# KiCad board haptic display 8x8 aisler.kicad_pcb

Outline 145 x 145 mm; copper layers: Front, In1.Cu, In2.Cu, Back. Coordinates in mm from the lower left corner of the outline.
Outline path: circle c5,140 r1.6 ; circle c5,5 r1.6 ; circle c20,125.3 r1 ; circle c20,110.3 r1 ; circle c20,95.3 r1 ; circle c20,80.3 r1 ; circle c20,65.3 r1 ; circle c20,50.3 r1 ; circle c20,35.3 r1 ; circle c20,20.3 r1 ; circle c35,125.3 r1 ; circle c35,110.3 r1 ; circle c35,95.3 r1 ; circle c35,80.3 r1 ; circle c35,65.3 r1 ; circle c35,50.3 r1 ; circle c35,35.3 r1 ; circle c35,20.3 r1 ; circle c50,125.3 r1 ; circle c50,110.3 r1 ; circle c50,95.3 r1 ; circle c50,80.3 r1 ; circle c50,65.3 r1 ; circle c50,50.3 r1 ; circle c50,35.3 r1 ; circle c50,20.3 r1 ; circle c65,125.3 r1 ; circle c65,110.3 r1 ; circle c65,95.3 r1 ; circle c65,80.3 r1 ; circle c65,65.3 r1 ; circle c65,50.3 r1 ; circle c65,35.3 r1 ; circle c65,20.3 r1 ; circle c80,125.3 r1 ; circle c80,110.3 r1 ; circle c80,95.3 r1 ; circle c80,80.3 r1 ; circle c80,65.3 r1 ; circle c80,50.3 r1 ; circle c80,35.3 r1 ; circle c80,20.3 r1 ; circle c95,125.3 r1 ; circle c95,110.3 r1 ; circle c95,95.3 r1 ; circle c95,80.3 r1 ; circle c95,65.3 r1 ; circle c95,50.3 r1 ; circle c95,35.3 r1 ; circle c95,20.3 r1 ; circle c110,125.3 r1 ; circle c110,110.3 r1 ; circle c110,95.3 r1 ; circle c110,80.3 r1 ; circle c110,65.3 r1 ; circle c110,50.3 r1 ; circle c110,35.3 r1 ; circle c110,20.3 r1 ; circle c125,125.3 r1 ; circle c125,110.3 r1 ; circle c125,95.3 r1 ; circle c125,80.3 r1 ; circle c125,65.3 r1 ; circle c125,50.3 r1 ; circle c125,35.3 r1 ; circle c125,20.3 r1 ; circle c140,140 r1.6 ; circle c140,5 r1.6 ; 0,145 145,145 145,0 0,0 0,145 ; 3.2,83.2 6.8,83.2 6.8,61.8 3.2,61.8 3.2,83.2 ; 61.8,6.8 83.2,6.8 83.2,3.2 61.8,3.2 61.8,6.8

## Placement (name value [footprint] x y rotation side)
J1  Conn_01x08  [PinHeader_1x08_P2.54mm_Vertical]  63.61 140 270 bottom
J2  Conn_01x08  [PinHeader_1x08_P2.54mm_Vertical]  140 81.39 180 bottom
REF**  -  [D_SMA]  27.5 128.75 90 bottom
REF**#2  -  [D_SMA]  27.5 121.25 90 bottom
REF**#3  -  [D_SMA]  27.5 106.25 90 bottom
REF**#4  -  [D_SMA]  27.5 91.25 90 bottom
REF**#5  -  [D_SMA]  27.5 76.25 90 bottom
REF**#6  -  [D_SMA]  27.5 61.25 90 bottom
REF**#7  -  [D_SMA]  27.5 46.25 90 bottom
REF**#8  -  [D_SMA]  27.5 31.25 90 bottom
REF**#9  -  [D_SMA]  27.5 16.25 90 bottom
REF**#10  -  [D_SMA]  27.5 113.75 90 bottom
REF**#11  -  [D_SMA]  27.5 98.75 90 bottom
REF**#12  -  [D_SMA]  27.5 83.75 90 bottom
REF**#13  -  [D_SMA]  27.5 68.75 90 bottom
REF**#14  -  [D_SMA]  27.5 53.75 90 bottom
REF**#15  -  [D_SMA]  27.5 38.75 90 bottom
REF**#16  -  [D_SMA]  27.5 23.75 90 bottom
REF**#17  -  [D_SMA]  57.5 106.25 90 bottom
REF**#18  -  [D_SMA]  57.5 91.25 90 bottom
REF**#19  -  [D_SMA]  57.5 76.25 90 bottom
REF**#20  -  [D_SMA]  57.5 61.25 90 bottom
REF**#21  -  [D_SMA]  57.5 46.25 90 bottom
REF**#22  -  [D_SMA]  57.5 31.25 90 bottom
REF**#23  -  [D_SMA]  57.5 16.25 90 bottom
REF**#24  -  [D_SMA]  87.5 106.25 90 bottom
REF**#25  -  [D_SMA]  87.5 91.25 90 bottom
REF**#26  -  [D_SMA]  87.5 76.25 90 bottom
REF**#27  -  [D_SMA]  87.5 61.25 90 bottom
REF**#28  -  [D_SMA]  87.5 46.25 90 bottom
REF**#29  -  [D_SMA]  87.5 31.25 90 bottom
REF**#30  -  [D_SMA]  87.5 16.25 90 bottom
REF**#31  -  [D_SMA]  102.5 113.75 90 bottom
REF**#32  -  [D_SMA]  102.5 98.75 90 bottom
REF**#33  -  [D_SMA]  102.5 83.75 90 bottom
REF**#34  -  [D_SMA]  102.5 68.75 90 bottom
REF**#35  -  [D_SMA]  102.5 53.75 90 bottom
REF**#36  -  [D_SMA]  102.5 38.75 90 bottom
REF**#37  -  [D_SMA]  102.5 23.75 90 bottom
REF**#38  -  [D_SMA]  132.5 106.25 90 bottom
REF**#39  -  [D_SMA]  132.5 91.25 90 bottom
REF**#40  -  [D_SMA]  132.5 76.25 90 bottom
REF**#41  -  [D_SMA]  132.5 61.25 90 bottom
REF**#42  -  [D_SMA]  132.5 46.25 90 bottom
REF**#43  -  [D_SMA]  132.5 31.25 90 bottom
REF**#44  -  [D_SMA]  132.5 16.25 90 bottom
REF**#45  -  [D_SMA]  42.5 106.25 90 bottom
REF**#46  -  [D_SMA]  42.5 91.25 90 bottom
REF**#47  -  [D_SMA]  42.5 76.25 90 bottom
REF**#48  -  [D_SMA]  42.5 61.25 90 bottom
REF**#49  -  [D_SMA]  42.5 46.25 90 bottom
REF**#50  -  [D_SMA]  42.5 31.25 90 bottom
REF**#51  -  [D_SMA]  42.5 16.25 90 bottom
REF**#52  -  [D_SMA]  87.5 113.75 90 bottom
REF**#53  -  [D_SMA]  87.5 98.75 90 bottom
REF**#54  -  [D_SMA]  87.5 83.75 90 bottom
REF**#55  -  [D_SMA]  87.5 68.75 90 bottom
REF**#56  -  [D_SMA]  87.5 53.75 90 bottom
REF**#57  -  [D_SMA]  87.5 38.75 90 bottom
REF**#58  -  [D_SMA]  87.5 23.75 90 bottom
REF**#59  -  [D_SMA]  72.5 113.75 90 bottom
REF**#60  -  [D_SMA]  72.5 98.75 90 bottom
REF**#61  -  [D_SMA]  72.5 83.75 90 bottom
REF**#62  -  [D_SMA]  72.5 68.75 90 bottom
REF**#63  -  [D_SMA]  72.5 53.75 90 bottom
REF**#64  -  [D_SMA]  72.5 38.75 90 bottom
REF**#65  -  [D_SMA]  72.5 23.75 90 bottom
REF**#66  -  [D_SMA]  72.5 106.25 90 bottom
REF**#67  -  [D_SMA]  72.5 91.25 90 bottom
REF**#68  -  [D_SMA]  72.5 76.25 90 bottom
REF**#69  -  [D_SMA]  72.5 61.25 90 bottom
REF**#70  -  [D_SMA]  72.5 46.25 90 bottom
REF**#71  -  [D_SMA]  72.5 31.25 90 bottom
REF**#72  -  [D_SMA]  72.5 16.25 90 bottom
REF**#73  -  [D_SMA]  117.5 106.25 90 bottom
REF**#74  -  [D_SMA]  117.5 91.25 90 bottom
REF**#75  -  [D_SMA]  117.5 76.25 90 bottom
REF**#76  -  [D_SMA]  117.5 61.25 90 bottom
REF**#77  -  [D_SMA]  117.5 46.25 90 bottom
REF**#78  -  [D_SMA]  117.5 31.25 90 bottom
REF**#79  -  [D_SMA]  117.5 16.25 90 bottom
REF**#80  -  [D_SMA]  117.5 113.75 90 bottom
REF**#81  -  [D_SMA]  117.5 98.75 90 bottom
REF**#82  -  [D_SMA]  117.5 83.75 90 bottom
REF**#83  -  [D_SMA]  117.5 68.75 90 bottom
REF**#84  -  [D_SMA]  117.5 53.75 90 bottom
REF**#85  -  [D_SMA]  117.5 38.75 90 bottom
REF**#86  -  [D_SMA]  117.5 23.75 90 bottom
REF**#87  -  [D_SMA]  132.5 113.75 90 bottom
REF**#88  -  [D_SMA]  132.5 98.75 90 bottom
REF**#89  -  [D_SMA]  132.5 83.75 90 bottom
REF**#90  -  [D_SMA]  132.5 68.75 90 bottom
REF**#91  -  [D_SMA]  132.5 53.75 90 bottom
REF**#92  -  [D_SMA]  132.5 38.75 90 bottom
REF**#93  -  [D_SMA]  132.5 23.75 90 bottom
REF**#94  -  [D_SMA]  57.5 113.75 90 bottom
REF**#95  -  [D_SMA]  57.5 98.75 90 bottom
REF**#96  -  [D_SMA]  57.5 83.75 90 bottom
REF**#97  -  [D_SMA]  57.5 68.75 90 bottom
REF**#98  -  [D_SMA]  57.5 53.75 90 bottom
REF**#99  -  [D_SMA]  57.5 38.75 90 bottom
REF**#100  -  [D_SMA]  57.5 23.75 90 bottom
REF**#101  -  [D_SMA]  42.5 113.75 90 bottom
REF**#102  -  [D_SMA]  42.5 98.75 90 bottom
REF**#103  -  [D_SMA]  42.5 83.75 90 bottom
REF**#104  -  [D_SMA]  42.5 68.75 90 bottom
REF**#105  -  [D_SMA]  42.5 53.75 90 bottom
REF**#106  -  [D_SMA]  42.5 38.75 90 bottom
REF**#107  -  [D_SMA]  42.5 23.75 90 bottom
REF**#108  -  [D_SMA]  102.5 106.25 90 bottom
REF**#109  -  [D_SMA]  102.5 91.25 90 bottom
REF**#110  -  [D_SMA]  102.5 76.25 90 bottom
REF**#111  -  [D_SMA]  102.5 61.25 90 bottom
REF**#112  -  [D_SMA]  102.5 46.25 90 bottom
REF**#113  -  [D_SMA]  102.5 31.25 90 bottom
REF**#114  -  [D_SMA]  102.5 16.25 90 bottom
REF**#115  -  [D_SMA]  42.5 128.75 90 bottom
REF**#116  -  [D_SMA]  57.5 128.75 90 bottom
REF**#117  -  [D_SMA]  72.5 128.75 90 bottom
REF**#118  -  [D_SMA]  87.5 128.75 90 bottom
REF**#119  -  [D_SMA]  102.5 128.75 90 bottom
REF**#120  -  [D_SMA]  117.5 128.75 90 bottom
REF**#121  -  [D_SMA]  132.5 128.75 90 bottom
REF**#122  -  [D_SMA]  42.5 121.25 90 bottom
REF**#123  -  [D_SMA]  57.5 121.25 90 bottom
REF**#124  -  [D_SMA]  72.5 121.25 90 bottom
REF**#125  -  [D_SMA]  87.5 121.25 90 bottom
REF**#126  -  [D_SMA]  102.5 121.25 90 bottom
REF**#127  -  [D_SMA]  117.5 121.25 90 bottom
REF**#128  -  [D_SMA]  132.5 121.25 90 bottom

## Footprints (pads in the part's own frame, mm; a bottom-side part is the same pattern mirrored in y, then rotated)
D_SMA
  rect 2.5x1.8 smd: 1(-2,0) 2(2,0)
PinHeader_1x08_P2.54mm_Vertical
  rect 1.7x1.7 hole 1: 1(0,0)
  oval 1.7x1.7 hole 1: 2(0,-2.54) 3(0,-5.08) 4(0,-7.62) 5(0,-10.16) 6(0,-12.7) 7(0,-15.24) 8(0,-17.78)

## Nets
col1: J1.1 REF**.1 REF**#2.2 REF**#3.2 REF**#4.2 REF**#5.2 REF**#6.2 REF**#7.2 REF**#8.2 REF**#9.2 REF**#10.1 REF**#11.1 REF**#12.1 REF**#13.1 REF**#14.1 REF**#15.1 REF**#16.1
col2: J1.2 REF**#45.2 REF**#46.2 REF**#47.2 REF**#48.2 REF**#49.2 REF**#50.2 REF**#51.2 REF**#101.1 REF**#102.1 REF**#103.1 REF**#104.1 REF**#105.1 REF**#106.1 REF**#107.1 REF**#115.1 REF**#122.2
col3: J1.3 REF**#17.2 REF**#18.2 REF**#19.2 REF**#20.2 REF**#21.2 REF**#22.2 REF**#23.2 REF**#94.1 REF**#95.1 REF**#96.1 REF**#97.1 REF**#98.1 REF**#99.1 REF**#100.1 REF**#116.1 REF**#123.2
col4: J1.4 REF**#59.1 REF**#60.1 REF**#61.1 REF**#62.1 REF**#63.1 REF**#64.1 REF**#65.1 REF**#66.2 REF**#67.2 REF**#68.2 REF**#69.2 REF**#70.2 REF**#71.2 REF**#72.2 REF**#117.1 REF**#124.2
col5: J1.5 REF**#24.2 REF**#25.2 REF**#26.2 REF**#27.2 REF**#28.2 REF**#29.2 REF**#30.2 REF**#52.1 REF**#53.1 REF**#54.1 REF**#55.1 REF**#56.1 REF**#57.1 REF**#58.1 REF**#118.1 REF**#125.2
col6: J1.6 REF**#31.1 REF**#32.1 REF**#33.1 REF**#34.1 REF**#35.1 REF**#36.1 REF**#37.1 REF**#108.2 REF**#109.2 REF**#110.2 REF**#111.2 REF**#112.2 REF**#113.2 REF**#114.2 REF**#119.1 REF**#126.2
col7: J1.7 REF**#73.2 REF**#74.2 REF**#75.2 REF**#76.2 REF**#77.2 REF**#78.2 REF**#79.2 REF**#80.1 REF**#81.1 REF**#82.1 REF**#83.1 REF**#84.1 REF**#85.1 REF**#86.1 REF**#120.1 REF**#127.2
col8: J1.8 REF**#38.2 REF**#39.2 REF**#40.2 REF**#41.2 REF**#42.2 REF**#43.2 REF**#44.2 REF**#87.1 REF**#88.1 REF**#89.1 REF**#90.1 REF**#91.1 REF**#92.1 REF**#93.1 REF**#121.1 REF**#128.2
row1: J2.1 REF**.2 REF**#2.1 REF**#115.2 REF**#116.2 REF**#117.2 REF**#118.2 REF**#119.2 REF**#120.2 REF**#121.2 REF**#122.1 REF**#123.1 REF**#124.1 REF**#125.1 REF**#126.1 REF**#127.1 REF**#128.1
row2: J2.2 REF**#3.1 REF**#10.2 REF**#17.1 REF**#24.1 REF**#31.2 REF**#38.1 REF**#45.1 REF**#52.2 REF**#59.2 REF**#66.1 REF**#73.1 REF**#80.2 REF**#87.2 REF**#94.2 REF**#101.2 REF**#108.1
row3: J2.3 REF**#4.1 REF**#11.2 REF**#18.1 REF**#25.1 REF**#32.2 REF**#39.1 REF**#46.1 REF**#53.2 REF**#60.2 REF**#67.1 REF**#74.1 REF**#81.2 REF**#88.2 REF**#95.2 REF**#102.2 REF**#109.1
row4: J2.4 REF**#5.1 REF**#12.2 REF**#19.1 REF**#26.1 REF**#33.2 REF**#40.1 REF**#47.1 REF**#54.2 REF**#61.2 REF**#68.1 REF**#75.1 REF**#82.2 REF**#89.2 REF**#96.2 REF**#103.2 REF**#110.1
row5: J2.5 REF**#6.1 REF**#13.2 REF**#20.1 REF**#27.1 REF**#34.2 REF**#41.1 REF**#48.1 REF**#55.2 REF**#62.2 REF**#69.1 REF**#76.1 REF**#83.2 REF**#90.2 REF**#97.2 REF**#104.2 REF**#111.1
row6: J2.6 REF**#7.1 REF**#14.2 REF**#21.1 REF**#28.1 REF**#35.2 REF**#42.1 REF**#49.1 REF**#56.2 REF**#63.2 REF**#70.1 REF**#77.1 REF**#84.2 REF**#91.2 REF**#98.2 REF**#105.2 REF**#112.1
row7: J2.7 REF**#8.1 REF**#15.2 REF**#22.1 REF**#29.1 REF**#36.2 REF**#43.1 REF**#50.1 REF**#57.2 REF**#64.2 REF**#71.1 REF**#78.1 REF**#85.2 REF**#92.2 REF**#99.2 REF**#106.2 REF**#113.1
row8: J2.8 REF**#9.1 REF**#16.2 REF**#23.1 REF**#30.1 REF**#37.2 REF**#44.1 REF**#51.1 REF**#58.2 REF**#65.2 REF**#72.1 REF**#79.1 REF**#86.2 REF**#93.2 REF**#100.2 REF**#107.2 REF**#114.1

## Via types
v1: diameter 0.45, hole 0.2, Front to Back, 192 vias

## Routing (per net, layer and track width the routed paths; a pad name or vN(x,y) marks a point on that pad's centre or on a via; arc(x,y) is an arc through that point)
col1: length 7446
  Front w0.15: 19.59,108.98 19.63,108.97 20,108.6 20,108.55 19.79,108.56 19.59,108.6 19.39,108.67 19.2,108.76 19.03,108.88 18.88,109.03 18.75,109.19 18.64,109.38 18.56,109.58 18.51,109.79 18.49,110 18.5,110.22 18.54,110.43 18.61,110.64 18.71,110.83 18.84,111.01 18.99,111.17 19.16,111.31 19.35,111.42 19.56,111.5 19.78,111.55 20,111.58 20.22,111.56 20.45,111.52 20.66,111.45 20.86,111.34 21.05,111.21 21.22,111.05 21.36,110.87 21.47,110.67 21.56,110.46 21.62,110.23 21.64,110 21.63,109.77 21.58,109.54 21.51,109.31 21.4,109.1 21.26,108.91 21.09,108.74 20.91,108.59 20.7,108.47 20.48,108.38 20.24,108.32 20,108.3 19.78,108.31 19.56,108.35 19.34,108.41 19.14,108.51 18.95,108.63 18.78,108.78 18.62,108.94 18.49,109.13 18.39,109.33 18.31,109.55 18.26,109.77 18.24,110 18.25,110.23 18.29,110.46 18.36,110.68 18.46,110.89 18.58,111.09 18.73,111.27 18.9,111.43 19.1,111.56 19.31,111.67 19.53,111.75 19.76,111.8 20,111.83 20.24,111.81 20.48,111.77 20.7,111.7 20.92,111.6 21.13,111.47 21.31,111.31 21.48,111.13 21.62,110.93 21.73,110.72 21.81,110.49 21.87,110.25 21.89,110 21.88,109.75 21.83,109.51 21.76,109.27 21.65,109.05 21.52,108.84 21.36,108.64 21.17,108.47 20.96,108.33 20.74,108.21 20.5,108.13 20.25,108.07 20,108.05 19.76,108.06 19.53,108.1 19.3,108.16 19.08,108.26 18.88,108.38 18.69,108.52 18.52,108.68 18.36,108.87 18.24,109.07 18.13,109.29 18.06,109.52 18.01,109.76 17.99,110 18,110.24 18.04,110.48 18.1,110.72 18.2,110.94 18.32,111.16 18.47,111.35 18.64,111.53 18.83,111.69 19.04,111.82 19.27,111.93 19.51,112.01 19.75,112.06 20,112.08 20.25,112.06 20.5,112.02 20.74,111.95 20.97,111.85 21.19,111.73 21.4,111.57 21.58,111.4 21.74,111.2 21.88,110.98 21.99,110.75 22.07,110.51 22.12,110.26 22.14,110 22.13,109.74 22.08,109.49 22.01,109.24 21.91,109 21.78,108.77 21.62,108.56 21.44,108.37 21.24,108.21 21.01,108.07 20.78,107.96 20.52,107.87 20.26,107.82 20,107.8 19.75,107.81 19.51,107.85 19.27,107.91 19.04,108 18.82,108.12 18.61,108.26 18.42,108.42 18.25,108.61 18.1,108.81 17.98,109.03 17.88,109.26 17.8,109.5 17.76,109.75 17.74,110 17.75,110.25 17.79,110.51 17.85,110.75 17.95,110.99 18.07,111.22 18.21,111.43 18.38,111.62 18.57,111.8 18.77,111.95 19,112.08 19.24,112.18 19.48,112.26 19.74,112.31 20,112.33 20.26,112.31 20.52,112.28 20.77,112.21 21.02,112.11 21.25,111.99 21.47,111.84 21.67,111.67 21.85,111.47 22,111.26 22.13,111.03 22.24,110.78 22.32,110.53 22.37,110.27 22.39,110 22.38,109.73 22.34,109.47 22.27,109.21 22.17,108.96 22.04,108.72 21.89,108.49 21.71,108.29 21.51,108.11 21.29,107.94 21.06,107.81 20.8,107.7 20.54,107.62 20.27,107.57 20,107.55 19.74,107.56 19.49,107.6 19.24,107.66 19,107.75 18.76,107.86 18.55,108 18.34,108.16 18.15,108.34 17.99,108.54 17.84,108.75 17.72,108.98 17.62,109.23 17.55,109.48 17.51,109.74 17.49,110 17.5,110.26 17.53,110.52 17.6,110.78 17.69,111.03 17.81,111.27 17.95,111.49 18.11,111.7 18.3,111.89 18.5,112.06 18.72,112.21 18.96,112.34 19.21,112.44 19.47,112.51 19.73,112.56 20,112.58 20.27,112.57 20.54,112.53 20.8,112.46 21.05,112.37 21.3,112.25 21.53,112.1 21.74,111.94 21.94,111.75 22.11,111.54 22.27,111.31 22.39,111.07 22.5,110.81 22.57,110.55 22.62,110.28 22.64,110 22.63,109.72 22.59,109.45 22.52,109.18 22.42,108.92 22.3,108.67 22.15,108.44 21.98,108.22 21.79,108.02 21.57,107.84 21.34,107.68 21.09,107.55 20.83,107.44 20.56,107.37 20.28,107.32 20,107.3 19.73,107.31 19.47,107.34 19.21,107.41 18.96,107.49 18.72,107.6 18.49,107.74 18.27,107.89 18.07,108.07 17.89,108.26 17.72,108.48 17.58,108.71 17.46,108.95 17.37,109.2 17.3,109.46 17.25,109.73 17.24,110 17.25,110.27 17.28,110.54 17.35,110.81 17.43,111.06 17.55,111.31 17.68,111.55 17.84,111.77 18.02,111.98 18.23,112.16 18.44,112.33 18.68,112.47 18.92,112.6 19.18,112.69 19.45,112.76 19.72,112.81 20,112.83 20.28,112.82 20.55,112.78 20.82,112.71 21.09,112.62 21.34,112.51 21.58,112.37 21.81,112.2 22.02,112.02 22.21,111.81 22.38,111.59 22.53,111.35 22.65,111.1 22.75,110.83 22.82,110.56 22.87,110.28 22.89,110 22.88,109.72 22.84,109.44 22.77,109.16 22.68,108.89 22.56,108.63 22.42,108.38 22.25,108.15 22.06,107.94 21.85,107.74 21.63,107.57 21.38,107.42 21.12,107.29 20.85,107.19 20.57,107.11 20.29,107.07 20,107.05 19.73,107.06 19.46,107.09 19.19,107.15 18.93,107.24 18.68,107.34 18.44,107.47 18.21,107.63 17.99,107.8 17.8,107.99 17.62,108.2 17.46,108.43 17.32,108.67 17.2,108.92 17.11,109.18 17.05,109.45 17,109.72 16.99,110 17,110.28 17.03,110.55 17.09,110.83 17.18,111.09 17.29,111.35 17.42,111.6 17.58,111.83 17.75,112.05 17.95,112.25 18.16,112.43 18.39,112.6 18.64,112.74 18.89,112.85 19.16,112.95 19.44,113.02 19.72,113.06 20,113.08 20.28,113.07 20.57,113.03 20.84,112.97 21.12,112.88 21.38,112.77 21.63,112.63 21.87,112.47 22.09,112.29 22.3,112.09 22.48,111.88 22.65,111.64 22.79,111.39 22.91,111.13 23.01,110.86 23.08,110.58 23.12,110.29 23.14,110 23.13,109.71 23.09,109.42 23.03,109.14 22.94,108.86 22.83,108.59 22.69,108.34 22.52,108.09 22.34,107.87 22.14,107.66 21.91,107.47 21.67,107.3 21.42,107.15 21.15,107.03 20.87,106.93 20.59,106.86 20.29,106.82 20,106.8 19.72,106.81 19.44,106.84 19.17,106.9 18.9,106.98 18.64,107.08 18.39,107.21 18.15,107.36 17.93,107.53 17.72,107.72 17.52,107.92 17.35,108.14 17.19,108.38 17.06,108.63 16.95,108.89 16.86,109.16 16.79,109.43 16.75,109.72 16.74,110 16.75,110.28 16.78,110.57 16.84,110.85 16.92,111.12 17.03,111.39 17.16,111.64 17.31,111.89 17.48,112.11 17.67,112.33 17.88,112.53 18.11,112.7 18.35,112.86 18.6,113 18.87,113.11 19.14,113.2 19.42,113.27 19.71,113.31 20,113.33 20.29,113.32 20.58,113.28 20.86,113.22 21.14,113.14 21.41,113.03 21.67,112.9 21.92,112.74 22.16,112.57 22.37,112.37 22.57,112.16 22.75,111.93 22.92,111.68 23.05,111.42 23.17,111.15 23.26,110.87 23.33,110.59 23.37,110.29 23.39,110 23.38,109.7 23.34,109.41 23.28,109.12 23.2,108.84 23.09,108.56 22.95,108.3 22.79,108.04 22.62,107.8 22.42,107.58 22.2,107.38 21.96,107.19 21.71,107.03 21.45,106.89 21.18,106.77 20.89,106.68 20.6,106.61 20.3,106.57 20,106.55 19.71,106.56 19.43,106.59 19.15,106.65 18.88,106.72 18.61,106.83 18.35,106.95 18.1,107.09 17.86,107.26 17.64,107.44 17.44,107.64 17.25,107.86 17.08,108.09 16.93,108.34 16.8,108.6 16.69,108.86 16.6,109.14 16.54,109.42 16.5,109.71 16.49,110 16.5,110.29 16.53,110.58 16.59,110.86 16.67,111.14 16.77,111.42 16.89,111.68 17.04,111.93 17.21,112.17 17.39,112.4 17.6,112.61 17.82,112.8 18.06,112.97 18.31,113.13 18.57,113.26 18.84,113.37 19.12,113.46 19.41,113.52 19.71,113.56 20,113.58 20.3,113.57 20.59,113.53 20.88,113.48 21.17,113.39 21.44,113.29 21.71,113.16 21.97,113.01 22.21,112.84 22.44,112.65 22.65,112.44 22.85,112.22 23.03,111.98 23.18,111.72 23.32,111.45 23.43,111.18 23.52,110.89 23.58,110.6 23.62,110.3 23.64,110 23.63,109.7 23.59,109.4 23.54,109.1 23.45,108.81 23.35,108.53 23.22,108.26 23.06,108 22.89,107.75 22.7,107.52 22.49,107.3 22.26,107.1 22.01,106.92 21.75,106.76 21.48,106.63 21.2,106.51 20.91,106.42 20.61,106.36 20.31,106.32 20,106.3 19.71,106.31 19.42,106.34 19.13,106.39 18.85,106.47 18.58,106.57 18.31,106.69 18.06,106.83 17.81,106.99 17.58,107.17 17.36,107.36 17.16,107.57 16.98,107.8 16.81,108.05 16.66,108.3 16.54,108.57 16.43,108.84 16.35,109.12 16.29,109.41 16.25,109.71 16.24,110 16.25,110.3 16.28,110.59 16.33,110.88 16.41,111.17 16.51,111.45 16.63,111.72 16.77,111.98 16.94,112.23 17.12,112.46 17.32,112.68 17.53,112.89 17.77,113.07 18.01,113.24 18.27,113.39 18.54,113.52 18.82,113.63 19.11,113.71 19.4,113.77 19.7,113.81 20,113.83 20.3,113.82 20.6,113.78 20.9,113.73 21.19,113.65 21.47,113.55 21.75,113.42 22.01,113.28 22.26,113.11 22.5,112.93 22.73,112.73 22.93,112.51 23.12,112.27 23.3,112.02 23.45,111.76 23.58,111.48 23.69,111.2 23.77,110.91 23.83,110.61 23.87,110.3 23.89,110 23.88,109.69 23.85,109.39 23.79,109.09 23.71,108.79 23.61,108.51 23.48,108.23 23.33,107.96 23.17,107.7 22.98,107.46 22.77,107.23 22.55,107.02 22.31,106.82 22.05,106.65 21.78,106.5 21.51,106.37 21.22,106.26 20.92,106.17 20.62,106.1 20.31,106.07 20,106.05 19.7,106.06 19.41,106.09 19.12,106.14 18.83,106.21 18.55,106.31 18.28,106.43 18.01,106.56 17.76,106.72 17.52,106.89 17.29,107.08 17.08,107.29 16.88,107.51 16.7,107.75 16.54,108 16.4,108.27 16.28,108.54 16.18,108.82 16.1,109.11 16.04,109.4 16,109.7 15.99,110 16,110.3 16.03,110.6 16.08,110.89 16.15,111.19 16.25,111.47 16.37,111.75 16.51,112.02 16.67,112.27 16.84,112.52 17.04,112.75 17.25,112.97 17.48,113.17 17.72,113.35 17.97,113.51 18.24,113.66 18.52,113.78 18.8,113.88 19.1,113.96 19.39,114.02 19.7,114.06 20,114.08 20.3,114.07 20.61,114.04 20.91,113.98 21.2,113.91 21.49,113.81 21.78,113.69 22.05,113.55 22.31,113.39 22.56,113.21 22.79,113.01 23.01,112.79 23.21,112.56 23.4,112.32 23.57,112.06 23.71,111.79 23.84,111.51 23.94,111.22 24.03,110.92 24.09,110.62 24.12,110.31 24.14,110 24.13,109.69 24.1,109.38 24.04,109.08 23.97,108.78 23.87,108.48 23.74,108.2 23.6,107.92 23.44,107.66 23.26,107.4 23.05,107.17 22.84,106.94 22.6,106.74 22.35,106.55 22.09,106.38 21.81,106.23 21.53,106.1 21.23,106 20.93,105.91 20.63,105.85 20.31,105.81 20,105.8 19.7,105.81 19.4,105.84 19.11,105.89 18.81,105.96 18.53,106.05 18.25,106.16 17.98,106.3 17.72,106.45 17.47,106.62 17.23,106.8 17.01,107.01 16.8,107.23 16.61,107.46 16.43,107.71 16.28,107.97 16.14,108.24 16.02,108.52 15.92,108.8 15.84,109.1 15.79,109.39 15.75,109.7 15.74,110 15.75,110.3 15.78,110.61 15.83,110.91 15.9,111.2 15.99,111.49 16.11,111.78 16.24,112.05 16.4,112.32 16.57,112.57 16.76,112.81 16.96,113.04 17.19,113.25 17.42,113.44 17.67,113.62 17.94,113.78 18.21,113.92 18.49,114.04 18.78,114.14 19.08,114.22 19.39,114.28 19.69,114.31 20,114.33 20.31,114.32 20.62,114.29 20.92,114.23 21.22,114.16 21.52,114.07 21.8,113.95 22.08,113.81 22.35,113.66 22.61,113.48 22.85,113.29 23.08,113.08 23.29,112.85 23.49,112.61 23.67,112.36 23.83,112.09 23.98,111.82 24.1,111.53 24.2,111.23 24.28,110.93 24.34,110.62 24.37,110.31 24.39,110 24.38,109.69 24.35,109.37 24.3,109.07 24.22,108.76 24.12,108.46 24.01,108.17 23.87,107.89 23.71,107.62 23.53,107.36 23.34,107.11 23.12,106.88 22.9,106.66 22.65,106.46 22.39,106.28 22.12,106.11 21.84,105.97 21.55,105.84 21.25,105.74 20.94,105.66 20.63,105.6 20.32,105.56 20,105.55 19.05,105.55 ; 19.59,93.98 19.63,93.97 20,93.6 20,93.55 19.79,93.56 19.59,93.6 19.39,93.67 19.2,93.76 19.03,93.88 18.88,94.03 18.75,94.19 18.64,94.38 18.56,94.58 18.51,94.79 18.49,95 18.5,95.22 18.54,95.43 18.61,95.64 18.71,95.83 18.84,96.01 18.99,96.17 19.16,96.31 19.35,96.42 19.56,96.5 19.78,96.55 20,96.58 20.22,96.56 20.45,96.52 20.66,96.45 20.86,96.34 21.05,96.21 21.22,96.05 21.36,95.87 21.47,95.67 21.56,95.46 21.62,95.23 21.64,95 21.63,94.77 21.58,94.54 21.51,94.31 21.4,94.1 21.26,93.91 21.09,93.74 20.91,93.59 20.7,93.47 20.48,93.38 20.24,93.32 20,93.3 19.78,93.31 19.56,93.35 19.34,93.41 19.14,93.51 18.95,93.63 18.78,93.78 18.62,93.94 18.49,94.13 18.39,94.33 18.31,94.55 18.26,94.77 18.24,95 18.25,95.23 18.29,95.46 18.36,95.68 18.46,95.89 18.58,96.09 18.73,96.27 18.9,96.43 19.1,96.56 19.31,96.67 19.53,96.75 19.76,96.8 20,96.83 20.24,96.81 20.48,96.77 20.7,96.7 20.92,96.6 21.13,96.47 21.31,96.31 21.48,96.13 21.62,95.93 21.73,95.72 21.81,95.49 21.87,95.25 21.89,95 21.88,94.75 21.83,94.51 21.76,94.27 21.65,94.05 21.52,93.84 21.36,93.64 21.17,93.47 20.96,93.33 20.74,93.21 20.5,93.13 20.25,93.07 20,93.05 19.76,93.06 19.53,93.1 19.3,93.16 19.08,93.26 18.88,93.38 18.69,93.52 18.52,93.68 18.36,93.87 18.24,94.07 18.13,94.29 18.06,94.52 18.01,94.76 17.99,95 18,95.24 18.04,95.48 18.1,95.72 18.2,95.94 18.32,96.16 18.47,96.35 18.64,96.53 18.83,96.69 19.04,96.82 19.27,96.93 19.51,97.01 19.75,97.06 20,97.08 20.25,97.06 20.5,97.02 20.74,96.95 20.97,96.85 21.19,96.73 21.4,96.57 21.58,96.4 21.74,96.2 21.88,95.98 21.99,95.75 22.07,95.51 22.12,95.26 22.14,95 22.13,94.74 22.08,94.49 22.01,94.24 21.91,94 21.78,93.77 21.62,93.56 21.44,93.37 21.24,93.21 21.01,93.07 20.78,92.96 20.52,92.87 20.26,92.82 20,92.8 19.75,92.81 19.51,92.85 19.27,92.91 19.04,93 18.82,93.12 18.61,93.26 18.42,93.42 18.25,93.61 18.1,93.81 17.98,94.03 17.88,94.26 17.8,94.5 17.76,94.75 17.74,95 17.75,95.25 17.79,95.51 17.85,95.75 17.95,95.99 18.07,96.22 18.21,96.43 18.38,96.62 18.57,96.8 18.77,96.95 19,97.08 19.24,97.18 19.48,97.26 19.74,97.31 20,97.33 20.26,97.31 20.52,97.28 20.77,97.21 21.02,97.11 21.25,96.99 21.47,96.84 21.67,96.67 21.85,96.47 22,96.26 22.13,96.03 22.24,95.78 22.32,95.53 22.37,95.27 22.39,95 22.38,94.73 22.34,94.47 22.27,94.21 22.17,93.96 22.04,93.72 21.89,93.49 21.71,93.29 21.51,93.11 21.29,92.94 21.06,92.81 20.8,92.7 20.54,92.62 20.27,92.57 20,92.55 19.74,92.56 19.49,92.6 19.24,92.66 19,92.75 18.76,92.86 18.55,93 18.34,93.16 18.15,93.34 17.99,93.54 17.84,93.75 17.72,93.98 17.62,94.23 17.55,94.48 17.51,94.74 17.49,95 17.5,95.26 17.53,95.52 17.6,95.78 17.69,96.03 17.81,96.27 17.95,96.49 18.11,96.7 18.3,96.89 18.5,97.06 18.72,97.21 18.96,97.34 19.21,97.44 19.47,97.51 19.73,97.56 20,97.58 20.27,97.57 20.54,97.53 20.8,97.46 21.05,97.37 21.3,97.25 21.53,97.1 21.74,96.94 21.94,96.75 22.11,96.54 22.27,96.31 22.39,96.07 22.5,95.81 22.57,95.55 22.62,95.28 22.64,95 22.63,94.72 22.59,94.45 22.52,94.18 22.42,93.92 22.3,93.67 22.15,93.44 21.98,93.22 21.79,93.02 21.57,92.84 21.34,92.68 21.09,92.55 20.83,92.44 20.56,92.37 20.28,92.32 20,92.3 19.73,92.31 19.47,92.34 19.21,92.41 18.96,92.49 18.72,92.6 18.49,92.74 18.27,92.89 18.07,93.07 17.89,93.26 17.72,93.48 17.58,93.71 17.46,93.95 17.37,94.2 17.3,94.46 17.25,94.73 17.24,95 17.25,95.27 17.28,95.54 17.35,95.81 17.43,96.06 17.55,96.31 17.68,96.55 17.84,96.77 18.02,96.98 18.23,97.16 18.44,97.33 18.68,97.47 18.92,97.6 19.18,97.69 19.45,97.76 19.72,97.81 20,97.83 20.28,97.82 20.55,97.78 20.82,97.71 21.09,97.62 21.34,97.51 21.58,97.37 21.81,97.2 22.02,97.02 22.21,96.81 22.38,96.59 22.53,96.35 22.65,96.1 22.75,95.83 22.82,95.56 22.87,95.28 22.89,95 22.88,94.72 22.84,94.44 22.77,94.16 22.68,93.89 22.56,93.63 22.42,93.38 22.25,93.15 22.06,92.94 21.85,92.74 21.63,92.57 21.38,92.42 21.12,92.29 20.85,92.19 20.57,92.11 20.29,92.07 20,92.05 19.73,92.06 19.46,92.09 19.19,92.15 18.93,92.24 18.68,92.34 18.44,92.47 18.21,92.63 17.99,92.8 17.8,92.99 17.62,93.2 17.46,93.43 17.32,93.67 17.2,93.92 17.11,94.18 17.05,94.45 17,94.72 16.99,95 17,95.28 17.03,95.55 17.09,95.83 17.18,96.09 17.29,96.35 17.42,96.6 17.58,96.83 17.75,97.05 17.95,97.25 18.16,97.43 18.39,97.6 18.64,97.74 18.89,97.85 19.16,97.95 19.44,98.02 19.72,98.06 20,98.08 20.28,98.07 20.57,98.03 20.84,97.97 21.12,97.88 21.38,97.77 21.63,97.63 21.87,97.47 22.09,97.29 22.3,97.09 22.48,96.88 22.65,96.64 22.79,96.39 22.91,96.13 23.01,95.86 23.08,95.58 23.12,95.29 23.14,95 23.13,94.71 23.09,94.42 23.03,94.14 22.94,93.86 22.83,93.59 22.69,93.34 22.52,93.09 22.34,92.87 22.14,92.66 21.91,92.47 21.67,92.3 21.42,92.15 21.15,92.03 20.87,91.93 20.59,91.86 20.29,91.82 20,91.8 19.72,91.81 19.44,91.84 19.17,91.9 18.9,91.98 18.64,92.08 18.39,92.21 18.15,92.36 17.93,92.53 17.72,92.72 17.52,92.92 17.35,93.14 17.19,93.38 17.06,93.63 16.95,93.89 16.86,94.16 16.79,94.43 16.75,94.72 16.74,95 16.75,95.28 16.78,95.57 16.84,95.85 16.92,96.12 17.03,96.39 17.16,96.64 17.31,96.89 17.48,97.11 17.67,97.33 17.88,97.53 18.11,97.7 18.35,97.86 18.6,98 18.87,98.11 19.14,98.2 19.42,98.27 19.71,98.31 20,98.33 20.29,98.32 20.58,98.28 20.86,98.22 21.14,98.14 21.41,98.03 21.67,97.9 21.92,97.74 22.16,97.57 22.37,97.37 22.57,97.16 22.75,96.93 22.92,96.68 23.05,96.42 23.17,96.15 23.26,95.87 23.33,95.59 23.37,95.29 23.39,95 23.38,94.7 23.34,94.41 23.28,94.12 23.2,93.84 23.09,93.56 22.95,93.3 22.79,93.04 22.62,92.8 22.42,92.58 22.2,92.38 21.96,92.19 21.71,92.03 21.45,91.89 21.18,91.77 20.89,91.68 20.6,91.61 20.3,91.57 20,91.55 19.71,91.56 19.43,91.59 19.15,91.65 18.88,91.72 18.61,91.83 18.35,91.95 18.1,92.09 17.86,92.26 17.64,92.44 17.44,92.64 17.25,92.86 17.08,93.09 16.93,93.34 16.8,93.6 16.69,93.86 16.6,94.14 16.54,94.42 16.5,94.71 16.49,95 16.5,95.29 16.53,95.58 16.59,95.86 16.67,96.14 16.77,96.42 16.89,96.68 17.04,96.93 17.21,97.17 17.39,97.4 17.6,97.61 17.82,97.8 18.06,97.97 18.31,98.13 18.57,98.26 18.84,98.37 19.12,98.46 19.41,98.52 19.71,98.56 20,98.58 20.3,98.57 20.59,98.53 20.88,98.48 21.17,98.39 21.44,98.29 21.71,98.16 21.97,98.01 22.21,97.84 22.44,97.65 22.65,97.44 22.85,97.22 23.03,96.98 23.18,96.72 23.32,96.45 23.43,96.18 23.52,95.89 23.58,95.6 23.62,95.3 23.64,95 23.63,94.7 23.59,94.4 23.54,94.1 23.45,93.81 23.35,93.53 23.22,93.26 23.06,93 22.89,92.75 22.7,92.52 22.49,92.3 22.26,92.1 22.01,91.92 21.75,91.76 21.48,91.63 21.2,91.51 20.91,91.42 20.61,91.36 20.31,91.32 20,91.3 19.71,91.31 19.42,91.34 19.13,91.39 18.85,91.47 18.58,91.57 18.31,91.69 18.06,91.83 17.81,91.99 17.58,92.17 17.36,92.36 17.16,92.57 16.98,92.8 16.81,93.05 16.66,93.3 16.54,93.57 16.43,93.84 16.35,94.12 16.29,94.41 16.25,94.71 16.24,95 16.25,95.3 16.28,95.59 16.33,95.88 16.41,96.17 16.51,96.45 16.63,96.72 16.77,96.98 16.94,97.23 17.12,97.46 17.32,97.68 17.53,97.89 17.77,98.07 18.01,98.24 18.27,98.39 18.54,98.52 18.82,98.63 19.11,98.71 19.4,98.77 19.7,98.81 20,98.83 20.3,98.82 20.6,98.78 20.9,98.73 21.19,98.65 21.47,98.55 21.75,98.42 22.01,98.28 22.26,98.11 22.5,97.93 22.73,97.73 22.93,97.51 23.12,97.27 23.3,97.02 23.45,96.76 23.58,96.48 23.69,96.2 23.77,95.91 23.83,95.61 23.87,95.3 23.89,95 23.88,94.69 23.85,94.39 23.79,94.09 23.71,93.79 23.61,93.51 23.48,93.23 23.33,92.96 23.17,92.7 22.98,92.46 22.77,92.23 22.55,92.02 22.31,91.82 22.05,91.65 21.78,91.5 21.51,91.37 21.22,91.26 20.92,91.17 20.62,91.1 20.31,91.07 20,91.05 19.7,91.06 19.41,91.09 19.12,91.14 18.83,91.21 18.55,91.31 18.28,91.43 18.01,91.56 17.76,91.72 17.52,91.89 17.29,92.08 17.08,92.29 16.88,92.51 16.7,92.75 16.54,93 16.4,93.27 16.28,93.54 16.18,93.82 16.1,94.11 16.04,94.4 16,94.7 15.99,95 16,95.3 16.03,95.6 16.08,95.89 16.15,96.19 16.25,96.47 16.37,96.75 16.51,97.02 16.67,97.27 16.84,97.52 17.04,97.75 17.25,97.97 17.48,98.17 17.72,98.35 17.97,98.51 18.24,98.66 18.52,98.78 18.8,98.88 19.1,98.96 19.39,99.02 19.7,99.06 20,99.08 20.3,99.07 20.61,99.04 20.91,98.98 21.2,98.91 21.49,98.81 21.78,98.69 22.05,98.55 22.31,98.39 22.56,98.21 22.79,98.01 23.01,97.79 23.21,97.56 23.4,97.32 23.57,97.06 23.71,96.79 23.84,96.51 23.94,96.22 24.03,95.92 24.09,95.62 24.12,95.31 24.14,95 24.13,94.69 24.1,94.38 24.04,94.08 23.97,93.78 23.87,93.48 23.74,93.2 23.6,92.92 23.44,92.66 23.26,92.4 23.05,92.17 22.84,91.94 22.6,91.74 22.35,91.55 22.09,91.38 21.81,91.23 21.53,91.1 21.23,91 20.93,90.91 20.63,90.85 20.31,90.81 20,90.8 19.7,90.81 19.4,90.84 19.11,90.89 18.81,90.96 18.53,91.05 18.25,91.16 17.98,91.3 17.72,91.45 17.47,91.62 17.23,91.8 17.01,92.01 16.8,92.23 16.61,92.46 16.43,92.71 16.28,92.97 16.14,93.24 16.02,93.52 15.92,93.8 15.84,94.1 15.79,94.39 15.75,94.7 15.74,95 15.75,95.3 15.78,95.61 15.83,95.91 15.9,96.2 15.99,96.49 16.11,96.78 16.24,97.05 16.4,97.32 16.57,97.57 16.76,97.81 16.96,98.04 17.19,98.25 17.42,98.44 17.67,98.62 17.94,98.78 18.21,98.92 18.49,99.04 18.78,99.14 19.08,99.22 19.39,99.28 19.69,99.31 20,99.33 20.31,99.32 20.62,99.29 20.92,99.23 21.22,99.16 21.52,99.07 21.8,98.95 22.08,98.81 22.35,98.66 22.61,98.48 22.85,98.29 23.08,98.08 23.29,97.85 23.49,97.61 23.67,97.36 23.83,97.09 23.98,96.82 24.1,96.53 24.2,96.23 24.28,95.93 24.34,95.62 24.37,95.31 24.39,95 24.38,94.69 24.35,94.37 24.3,94.07 24.22,93.76 24.12,93.46 24.01,93.17 23.87,92.89 23.71,92.62 23.53,92.36 23.34,92.11 23.12,91.88 22.9,91.66 22.65,91.46 22.39,91.28 22.12,91.11 21.84,90.97 21.55,90.84 21.25,90.74 20.94,90.66 20.63,90.6 20.32,90.56 20,90.55 19.05,90.55 ; 19.59,78.98 19.63,78.97 20,78.6 20,78.55 19.79,78.56 19.59,78.6 19.39,78.67 19.2,78.76 19.03,78.88 18.88,79.03 18.75,79.19 18.64,79.38 18.56,79.58 18.51,79.79 18.49,80 18.5,80.22 18.54,80.43 18.61,80.64 18.71,80.83 18.84,81.01 18.99,81.17 19.16,81.31 19.35,81.42 19.56,81.5 19.78,81.55 20,81.58 20.22,81.56 20.45,81.52 20.66,81.45 20.86,81.34 21.05,81.21 21.22,81.05 21.36,80.87 21.47,80.67 21.56,80.46 21.62,80.23 21.64,80 21.63,79.77 21.58,79.54 21.51,79.31 21.4,79.1 21.26,78.91 21.09,78.74 20.91,78.59 20.7,78.47 20.48,78.38 20.24,78.32 20,78.3 19.78,78.31 19.56,78.35 19.34,78.41 19.14,78.51 18.95,78.63 18.78,78.78 18.62,78.94 18.49,79.13 18.39,79.33 18.31,79.55 18.26,79.77 18.24,80 18.25,80.23 18.29,80.46 18.36,80.68 18.46,80.89 